# KiCad board oresat-adcs-card.kicad_pcb (continued)
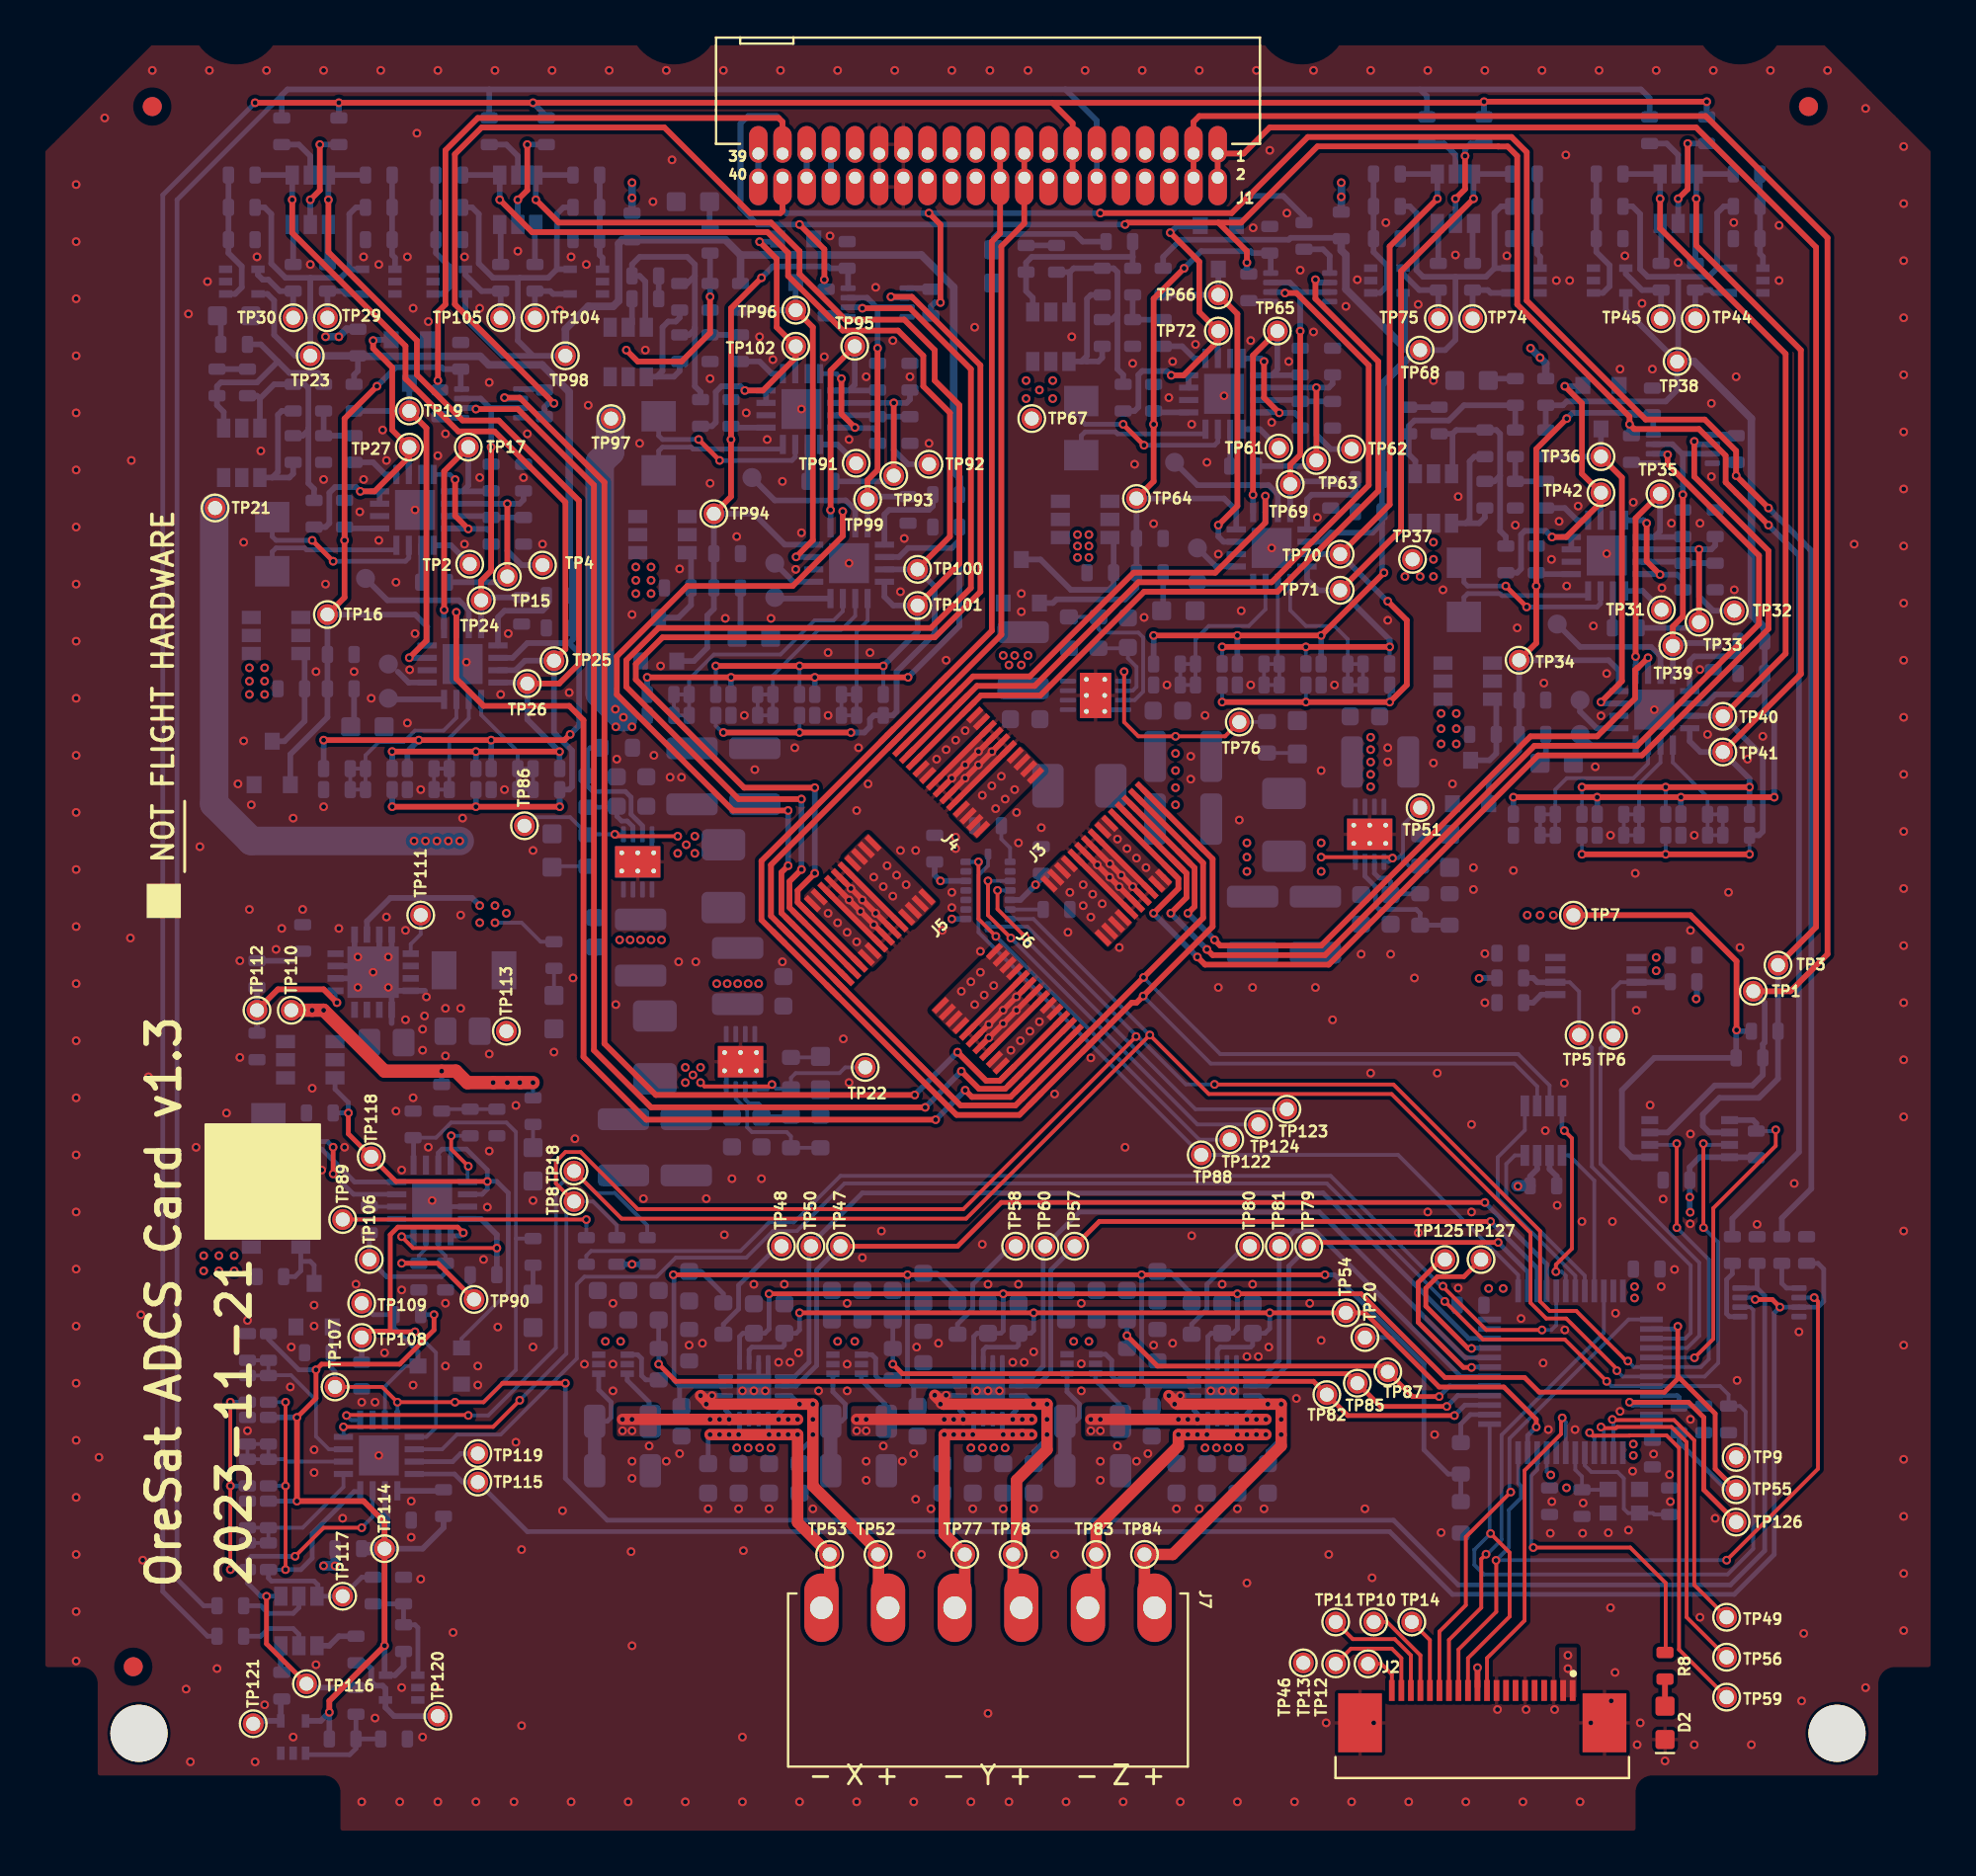
[diagram p0: board, top side]
## Routing (per net, layer and track width the routed paths; a pad name or vN(x,y) marks a point on that pad's centre or on a via; arc(x,y) is an arc through that point) (continued)
VPD_Q3: length 95.1
  Top w0.3: v1(45.7,61) v1(40.8,61) v1(36.4,61) v1(32,61)
  Bottom w0.3: 27.25,82.45 26.8,82 25.3,82 ; 27.25,82.45 27.25,85.35 27.6,85.7 R262.2 ; 27.25,82.45 U28.5 ; 48.4,68.2 C31.2 R244.2 ; 48.4,68.2 48.4,63.7 v1(45.7,61) ; 48.4,68.2 48,67.8 45.7,67.8 45.22,67.33 U25.14 ; 26,77.9 TP98.1 ; 26,77.9 25.2,78.7 25.2,81.9 25.3,82 ; 26,77.9 24.4,77.9 22.45,79.85 U27.5 ; R231.2 v1(40.8,61) ; R266.2 22.8,85.7 23.15,85.35 23.15,82.75 23.9,82 25.3,82 ; R239.2 v1(32,61) ; R235.2 v1(36.4,61)
  Bottom w0.4: 36.9,83.2 36.1,84 R230.2 30.7,84 30.5,83.8 30.5,80.79 30.21,80.5 28.9,80.5 27.7,79.3 TP98.1 ; 36.9,83.2 R256.2 ; 36.9,83.2 46.4,83.2 48.1,81.5 48.1,71.8 48.4,71.5 R244.2
VPD_Q4: length 78.5
  Top w0.3: v1(15,57.7) v1(20,57.7) v1(23.8,57.7) 27.65,57.7 v1(27.95,58)
  Bottom w0.3: v1(15,57.7) R49.2 ; 14.3,82 15.9,82 16.35,82.45 ; 14.3,82 13,82 12.25,82.75 12.25,85.35 11.9,85.7 R76.2 ; 14.3,82 TP23.1 13.5,77.9 12.4,79 12.4,80.8 12.05,81.15 U7.5 ; v1(23.8,57.7) R41.2 ; R40.2 16.8,77.1 16.6,76.9 R66.2 ; 16.35,82.45 U8.5 ; 16.35,82.45 16.35,85.35 16.7,85.7 R72.2 ; 27.9,62.8 28.42,62.28 28.42,58.47 v1(27.95,58) ; 27.9,62.8 25.7,62.8 24.93,62.03 24.16,62.03 ; 27.9,62.8 28.1,63 C6.2 ; v1(20,57.7) 19.4,57.1 R45.2
  Bottom w0.4: C6.2 R54.2 28.1,66.82 27.9,67.02 27.9,76 26.48,77.42 23.68,77.42 23.23,77.87 16.83,77.87 R40.2 TP23.1
~{SD}: length 1.3
  Bottom w0.3: 37.84,87.26 J1.39
Net-(C7-Pad1): length 2.9
  Bottom w0.3: C7.1 R64.2 R65.2
Net-(C12-Pad1): length 2.9
  Bottom w0.3: C12.1 R102.2 R103.2
Net-(C19-Pad1): length 2.8
  Bottom w0.25: C19.1 34.83,29.78 36,28.6 R17.2
Net-(C22-Pad1): length 2.9
  Bottom w0.3: R179.2 R178.2 C22.1
Net-(C32-Pad1): length 2.9
  Bottom w0.3: C32.1 R254.2 R255.2
Net-(C44-Pad1): length 2.9
  Bottom w0.2: R224.2 R225.2 21.3,38.3 C44.1
Net-(C56-Pad1): length 2.7
  Bottom w0.25: R23.2 48.3,28.6 47.22,29.68 C56.1
Net-(C68-Pad1): length 2.8
  Bottom w0.25: C68.1 59.43,29.78 60.6,28.6 R29.2
Net-(C104-Pad1): length 1.6
  Bottom w0.3: C104.1 R137.1
Net-(C106-Pad1): length 1.6
  Bottom w0.3: C106.1 R139.1
Net-(C108-Pad1): length 1.2
  Bottom w0.3: C108.1 R141.1
Net-(C110-Pad1): length 1.6
  Bottom w0.3: C110.1 R143.1
Net-(D1-PadA): length 1.6
  Bottom w0.2: D1.A 74.11,52.73 R26.2
Net-(D2-PadA): length 1.4
  Top w0.3: R8.1 D2.A
Net-(D3-PadA): length 1.6
  Bottom w0.3: D3.A 9.6,79.82 R39.1
Net-(D4-PadA): length 2.1
  Bottom w0.3: D4.A 16.6,58.58 R67.1
Net-(D5-PadA): length 1.5
  Bottom w0.3: 76.18,76.6 76.28,76.7 R77.1
Net-(D6-PadA): length 1.6
  Bottom w0.3: D6.A 79.2,56.78 R105.1
Net-(D7-PadA): length 1.6
  Bottom w0.2: R31.2 66.1,57.03 D7.A
Net-(D8-PadA): length 1.9
  Bottom w0.2: D8.A 27.05,51.08 28.85,51.08
Net-(D9-PadA): length 6.8
  Bottom w0.3: R153.1 54.88,83.9 54.48,84.3 50.4,84.3 50.2,84.1 D9.A
Net-(D10-PadA): length 2
  Bottom w0.3: R181.1 59.1,64.58 D10.A
Net-(D11-PadA): length 1.6
  Bottom w0.2: 39.55,41.03 41.05,41.03 D11.A
Net-(D13-PadA): length 1.3
  Bottom w0.3: D13.A 35.28,84.72 R229.1
Net-(D14-PadA): length 2.7
  Bottom w0.3: R257.1 36.9,63.28 36.72,63.1
Net-(D16-PadA): length 1.2
  Bottom w0.2: D16.A R198.1
Net-(D17-PadA): length 1.4
  Bottom w0.2: R199.1 D17.A
Net-(D18-PadA): length 1.5
  Bottom w0.25: R267.1 D18.A
Net-(J2-DEBUG-0): length 4.8
  Top w0.2: TP10.1 70.86,11.35 72.61,9.6 72.61,7.95
Net-(J2-DEBUG-1): length 6.3
  Top w0.2: TP11.1 69.06,10.45 71.26,10.45 72.11,9.6 72.11,7.95
Net-(J2-DEBUG-2): length 5.5
  Top w0.2: TP12.1 68.96,9.95 71.11,9.95 71.61,9.45 71.61,7.95
Net-(J2-DEBUG-3): length 2.1
  Top w0.2: 71.11,7.95 71.11,8.6 70.56,9.15 TP13.1
Net-(J2-SWO): length 3.8
  Top w0.2: 73.11,7.95 73.11,10.4 TP14.1
Net-(Q6-G): length 12.3
  Bottom w0.3: 14.2,74.1 14.2,74 13.9,73.7 C109.1 ; 14.2,74.1 14.2,76.2 14,76.4 R63.1 12.4,76.4 11.65,75.65 ; 14.2,74.1 14.2,71.2 14.5,70.9 R142.2 ; 11.65,75.65 Q6.3 ; 11.65,75.65 11.5,75.8 R143.2
Net-(Q6-S): length 16.2
  Top w0.25: v1(14.4,68.2) v1(15.5,67.1)
  Bottom w0.25: U6.15 19.48,67.28 19.3,67.1 v1(15.5,67.1) ; v1(14.4,68.2) 12.5,68.2 12.3,68.4 R57.2
  Bottom w0.3: C109.2 13.4,71.7 13.2,71.5 12.3,71.5 ; 12.3,71.5 Q6.4 ; 12.3,71.5 12.6,71.8 12.6,74.8 12.8,75 R63.2
Net-(Q7-G): length 5.8
  Bottom w0.3: Q8.3 12.94,57.64 14,58.7 R55.1 14,62.05 Q7.3
Net-(Q10A-G): length 2.1
  Bottom w0.3: R68.2 15.2,84.75 Q10.1
Net-(Q10A-S): length 2.7
  Bottom w0.3: Q10.5 14.3,88.4 13.7,89 R53.2
Net-(Q10B-G): length 2.1
  Bottom w0.3: R74.2 13.4,84.75 Q10.3
Net-(Q10B-S): length 5.4
  Top w0.3: v1(14.3,86.1) 14.8,86.6 v1(14.8,89)
  Bottom w0.3: Q10.2 v1(14.3,86.1) ; R73.2 v1(14.8,89)
Net-(Q11-G): length 12.4
  Bottom w0.3: 76.8,71.6 76.8,68.7 77.1,68.4 R136.2 ; 76.8,71.6 76.8,73.8 76.6,74 R101.1 74.5,74 74.3,73.8 ; 76.8,71.6 76.5,71.3 C103.1 ; 74.3,73.8 74.3,71.75 Q11.3 ; 74.3,73.8 R137.2
Net-(Q11-S): length 16.1
  Top w0.25: v1(78.19,64.7) 77.1,65.79 v1(77.1,65.8)
  Bottom w0.25: R95.2 74.9,66 75.1,65.8 v1(77.1,65.8) ; U10.15 82.08,64.88 81.9,64.7 v1(78.19,64.7)
  Bottom w0.3: R101.2 75.45,72.6 75.2,72.35 75.2,69.3 75,69.1 ; C103.2 76,69.4 75.7,69.1 75,69.1 ; 75,69.1 Q11.4
Net-(Q12-G): length 4.4
  Bottom w0.3: Q13.3 76.24,56.64 76.6,57 R93.1 76.6,59.65 Q12.3
Net-(Q15A-G): length 2.1
  Bottom w0.3: Q15.1 87.06,84.81 R106.2
Net-(Q15A-S): length 2.7
  Bottom w0.3: Q15.5 86.16,88.46 85.56,89.06 84.66,89.06
Net-(Q15B-G): length 2.1
  Bottom w0.3: Q15.3 85.25,84.81 R112.2
Net-(Q15B-S): length 5.4
  Top w0.3: v1(86.16,86.16) 86.66,86.66 v1(86.66,89.06)
  Bottom w0.3: Q15.2 v1(86.16,86.16) ; v1(86.66,89.06) 87.66,89.06
Net-(Q21-G): length 12.4
  Bottom w0.3: 54.2,82.3 54.2,80.25 Q21.3 ; 54.2,82.3 54.4,82.5 R177.1 56.5,82.5 56.7,82.3 56.7,80.1 ; 54.2,82.3 R139.2 ; C105.1 56.4,79.8 56.7,80.1 ; R138.2 57,76.9 56.7,77.2 56.7,80.1
Net-(Q21-S): length 16.2
  Top w0.25: v1(58.09,73.2) 57,74.29 v1(57,74.3)
  Bottom w0.25: U18.15 61.97,73.38 61.8,73.2 v1(58.09,73.2) ; R171.2 54.8,74.5 55,74.3 v1(57,74.3)
  Bottom w0.3: 54.8,77.6 55.7,77.6 55.9,77.8 C105.2 ; 54.8,77.6 Q21.4 ; 54.8,77.6 55.1,77.9 55.1,80.9 55.3,81.1 R177.2
Net-(Q22-G): length 8.2
  Bottom w0.3: Q22.3 56.5,68.15 R169.1 56.5,65.85 56.25,65.6 54.25,65.6 52.66,67.19 Q23.3
Net-(Q25A-G): length 2.1
  Bottom w0.3: Q25.1 75.36,84.81 R182.2
Net-(Q25A-S): length 2.7
  Bottom w0.3: Q25.5 74.46,88.46 73.86,89.06 72.96,89.06
Net-(Q25B-G): length 2.1
  Bottom w0.3: R188.2 73.56,84.81 73.5,84.86
Net-(Q25B-S): length 5.2
  Top w0.3: v1(74.96,88.4) 74.96,86.66 v1(74.46,86.16)
  Bottom w0.3: Q25.2 v1(74.46,86.16) ; v1(74.96,88.4) 74.96,88.76 75.25,89.06 75.96,89.06
Net-(Q26-S): length 9.8
  Top w0.25: v1(15.5,34.9) v1(15.5,36.3)
  Bottom w0.25: v1(15.5,36.3) 15.2,36.6 12.3,36.6 12.1,36.8 R217.2 ; U30.15 16.58,33.83 v1(15.5,34.9)
Net-(Q27-G): length 4
  Bottom w0.25: 13.8,30.3 14.3,30.3 14.5,30.1 Q28.3 ; 13.8,30.3 Q27.3 ; 13.8,30.3 13.8,29.8 13.5,29.5 R215.1
Net-(Q30A-G): length 2.3
  Bottom w0.3: R268.2 15.8,10.6 15.3,10.1 Q30.1
Net-(Q30A-S): length 3.8
  Bottom w0.25: Q30.5 13.7,12.1 13.4,11.8 12.1,11.8 11.7,12.2 R213.2
Net-(Q30B-G): length 1.4
  Bottom w0.3: R272.2 12.75,8.75 Q30.3
Net-(Q30B-S): length 3.8
  Bottom w0.25: R271.2 11.7,10.6 12.1,11 13.4,11 13.7,10.7 Q30.2
Net-(Q31-G): length 16.7
  Bottom w0.3: 34.5,82.1 34.1,81.7 R253.1 ; 34.5,82.1 34.5,82.7 34.1,83.1 31.6,83.1 31.2,82.7 R141.2 31.6,82.1 31.9,81.8 31.9,79.45 Q31.3 ; 34.5,82.1 34.5,79.4 ; 34.5,79.4 34.5,76.3 34.8,76 R140.2 ; 34.5,79.4 34.5,79.3 34.2,79 C107.1
Net-(Q31-S): length 16.1
  Top w0.25: v1(35.8,72.4) v1(34.7,73.5)
  Bottom w0.25: v1(34.7,73.5) 32.8,73.5 32.6,73.7 R247.2 ; v1(35.8,72.4) 39.6,72.4 39.78,72.58 U26.15
  Bottom w0.3: 32.5,76.8 32.8,77.1 32.8,79.4 33.1,79.7 33.5,79.7 33.7,79.9 R253.2 ; 32.5,76.8 33.4,76.8 33.7,77.1 C107.2 ; 32.5,76.8 Q31.4
Net-(Q32-G): length 4.8
  Bottom w0.3: Q32.3 34.3,67.35 R245.1 34.3,64.8 33.64,64.14 Q33.3
Net-(Q35A-G): length 2.1
  Bottom w0.3: Q35.1 26.1,84.75 R258.2
Net-(Q35A-S): length 2.7
  Bottom w0.3: R243.2 24.6,89 25.2,88.4 Q35.5
Net-(Q35B-G): length 2.1
  Bottom w0.3: R264.2 24.3,84.75 Q35.3
Net-(Q35B-S): length 5.4
  Top w0.3: v1(25.2,86.1) 25.7,86.6 v1(25.7,89)
  Bottom w0.3: Q35.2 v1(25.2,86.1) ; R263.2 v1(25.7,89)
Net-(R130-Pad1): length 2.7
  Bottom w0.25: R130.1 31.93,24.08 31.7,24.3 31.7,25.2 31.5,25.4 U4.1
Net-(R131-Pad1): length 2.7
  Bottom w0.25: R131.1 44.22,24.08 44,24.3 44,25.2 43.8,25.4 U21.1
Net-(R132-Pad1): length 2.7
  Bottom w0.25: R132.1 56.62,24.08 56.4,24.3 56.4,25.1 56.08,25.42 U23.1
Net-(U1-SET): length 1.8
  Bottom w0.3: R2.2 78.54,43.9 78.96,44.33 U1.5
Net-(U3-SENSEA): length 15.3
  Top w0.6: v1(39.9,22) v1(36.3,22) v1(30.7,22)
  Bottom w0.25: v1(38.9,22) 38.9,22.3 39.09,22.49 U3.4 ; U3.9 36.11,22.49 36.3,22.3 v1(36.3,22) ; U4.3 30.95,24.05 32.1,22.9 32.1,22.41
  Bottom w0.4: v1(38.9,22) v1(39.9,22) ; v1(36.3,22) v1(35.3,22)
  Bottom w0.6: 32.09,21.4 32.1,21.39
  vias: v1(30.7,21.4) v1(31.2,22) v1(31.2,21.4) v1(35.8,22) v1(39.4,22)
Net-(U3-TOFF): length 6
  Bottom w0.25: TP48.1 38.85,31.1 36.8,29.05 36.8,27.8 36,27 R17.1
Net-(U4--): length 6.1
  Bottom w0.25: R15.1 29.9,21.9 30.1,22.1 30.1,22.9 29.45,23.55 U4.4
  Bottom w0.7: R133.2 R15.1
Net-(U5-IO0): length 2.9
  Bottom w0.3: 21.33,59.84 18.46,59.84 TP133.1
Net-(U5-IO1): length 1.8
  Bottom w0.3: 18.9,61.29 19.47,60.73 20.44,60.73
Net-(U5-IO6): length 7.1
  Bottom w0.3: TP28.1 18.35,65.05 22.1,65.05 22.62,64.53 22.62,63.56
Net-(U5-~{RESET}): length 4.8
  Bottom w0.3: U5.13 24.16,64.16 24.5,64.5 26.5,64.5 26.7,64.7 R54.1
Net-(U6-CIN1+): length 11.5
  Top w0.3: v1(24.65,70.13) TP15.1
  Bottom w0.3: TP15.1 24.35,66 R59.1 ; U6.10 v1(24.65,70.13) 25.3,70.13 25.5,70.33 R60.2
Net-(U6-CIN1-): length 7.8
  Bottom w0.3: 24.65,69.4 R62.2 ; 24.65,69.4 R61.1 23.73,69.48 U6.11 ; 24.65,69.4 24.65,67.65 25.4,66.9 TP4.1
Net-(U6-CIN2+): length 7
  Top w0.3: v1(22.6,68.8) 21.91,69.49 v1(21.91,71.39)
  Bottom w0.25: v1(21.91,71.39) 21.64,71.66 U6.8
  Bottom w0.3: R61.2 23.8,68.6 23.6,68.8 v1(22.6,68.8) 22.58,68.83 U6.12
Net-(U6-INHIBIT): length 2.5
  Bottom w0.3: R65.1 17.6,72.3 18.24,71.66 18.83,71.66
Net-(U6-IOUT): length 2
  Bottom w0.3: R59.2 20.12,66.03 20.12,67.94
Net-(U6-POUT): length 2.3
  Bottom w0.3: TP2.1 21.68,67.94 U6.13
Net-(U6-RS+): length 7.9
  Bottom w0.25: R57.1 12.3,67.6 12.5,67.8 14,67.8 14.1,67.7 18.78,67.7 18.83,67.74 18.83,67.94
Net-(U7-INP): length 7.2
  Bottom w0.3: R75.1 R76.1 C10.1 10,83.3 10.7,82.6 10.7,81.5 10.35,81.15 U7.1
Net-(U7-OUT): length 3.9
  Bottom w0.3: U7.4 11.55,82.15 11.8,81.9 12.1,81.9 12.7,81.3 R74.1 TP30.1
Net-(U8-INP): length 5
  Bottom w0.3: R71.1 R72.1 C9.1 18.6,83.2 18.75,83.05 U8.1
Net-(U8-OUT): length 3.3
  Bottom w0.3: U8.4 16.15,81.15 16,81.3 R68.1 TP29.1
Net-(U9-IO0): length 3.2
  Bottom w0.3: TP129.1 81.56,57.44 U9.4
Net-(U9-IO1): length 3
  Bottom w0.3: TP128.1 81,59.2 81.88,58.33 U9.5
Net-(U9-IO6): length 7.1
  Bottom w0.3: U9.11 85.22,62.11 84.73,62.6 81,62.6 TP43.1
Net-(U9-~{RESET}): length 4.9
  Bottom w0.3: U9.13 86.76,61.86 87,62.1 89.1,62.1 89.3,62.3 R92.1
Net-(U10-CIN1+): length 11.5
  Top w0.3: TP33.1 v1(87.25,67.73)
  Bottom w0.3: R98.2 88.1,67.93 87.9,67.73 v1(87.25,67.73) U10.10 ; R97.1 86.95,63.6 TP33.1
Net-(U10-CIN1-): length 7.8
  Bottom w0.3: 84.26,67.08 86.33,67.08 R99.1 87.25,67 ; TP32.1 88,64.5 87.25,65.25 87.25,67 ; 87.25,67 R100.2
Net-(U10-CIN2+): length 7
  Top w0.3: v1(85.2,66.4) 84.5,67.1 v1(84.5,69.1)
  Bottom w0.3: U10.8 84.34,69.26 v1(84.5,69.1) ; R99.2 86.4,66.1 86.1,66.4 v1(85.2,66.4) 85.18,66.43 U10.12
Net-(U10-INHIBIT): length 2.5
  Bottom w0.3: U10.5 80.84,69.26 80.2,69.9 R103.1
Net-(U10-IOUT): length 2
  Bottom w0.3: U10.14 82.72,63.63 R97.2
Net-(U10-POUT): length 2.3
  Bottom w0.3: TP31.1 84.28,65.54 U10.13
Net-(U10-RS+): length 7.9
  Bottom w0.25: U10.16 81.43,65.34 81.38,65.3 76.9,65.3 76.8,65.4 75.1,65.4 74.9,65.2 R95.1
Net-(U11-INP): length 7.2
  Bottom w0.3: R113.1 R114.1 C15.1 81.86,83.36 82.56,82.66 82.56,81.56 82.21,81.21 U11.1
Net-(U11-OUT): length 4
  Bottom w0.3: TP45.1 85.25,81.36 84.25,81.36 83.41,82.21 83.41,82.51
Net-(U12-INP): length 5
  Bottom w0.3: 90.46,87.46 90.46,83.26 90.61,83.11 90.61,82.51
Net-(U12-OUT): length 3.4
  Bottom w0.3: TP44.1 87.06,81.36 87.86,81.36 88,81.21 U12.4
Net-(U13-SDO1): length 2.1
  Bottom w0.2: U13.15 51.06,52.04 50.6,52.5 R5.2
Net-(U13-SDO2): length 1.7
  Bottom w0.2: U13.10 R4.2
Net-(U15-PB1): length 8.7
  Top w0.25: TP125.1 73.7,30.4 72.5,29.2 72.5,27.1 74.87,24.73 v1(75.3,24.73)
  Bottom w0.25: U15.19 75.32,24.75 v1(75.3,24.73)
Net-(U15-PB9): length 11.6
  Top w0.25: v1(83.6,22.9) 86.7,22.9 87.5,22.1 87.5,18.3 TP126.1
  Bottom w0.25: U15.46 83.75,22.75 v1(83.6,22.9)
Net-(U15-PB10): length 8.7
  Top w0.25: TP127.1 74.9,29.5 73.51,29.5 72.9,28.89 72.9,27.95 75.12,25.73 v1(75.3,25.73)
  Bottom w0.25: v1(75.3,25.73) 75.32,25.75 U15.21
Net-(U15-PC13): length 16.5
  Top w0.2: v1(82.7,22) 82.73,21.96 85.94,21.96 87,20.9 87,13.3 TP49.1
  Bottom w0.2: U15.2 82.75,21.94 v1(82.7,22)
Net-(U15-PC14-OSC32_IN): length 18.5
  Top w0.2: v1(82.1,21.6) 82.16,21.54 82.89,21.54 82.94,21.6 85.8,21.6 86.6,20.8 86.6,11.6 TP56.1
  Bottom w0.2: v1(82.1,21.6) 82.25,21.45 U15.3
Net-(U15-PC15-OSC32_OUT): length 20.3
  Top w0.2: v1(81.5,21.3) 81.66,21.14 83.6,21.14 83.61,21.16 85.54,21.16 86.2,20.5 86.2,9.9 TP59.1
  Bottom w0.2: v1(81.5,21.3) 81.75,21.05 U15.4
Net-(U15-PF0-OSC_IN): length 7.1
  Bottom w0.2: U15.5 81.25,19.58 81.6,19.23 82.97,19.23 83.3,18.9 83.3,17.3 83.53,17.08 X2.1 84.83,17.08 84.9,17 C36.1
Net-(U15-PF1-OSC_OUT): length 3.5
  Bottom w0.2: U15.6 80.75,19.35 81.1,19 C30.1 82.45,18.3 X2.3
Net-(U16-SENSEA): length 15.5
  Top w0.6: v1(52.2,22) v1(48.6,22) v1(43,22)
  Bottom w0.25: 44.5,22.41 44.5,22.8 43.25,24.05 U21.3 ; v1(48.6,22) 48.6,22.3 48.41,22.49 U16.9 ; U16.4 51.39,22.49 51.2,22.3 v1(51.2,22)
  Bottom w0.4: v1(51.2,22) v1(52.2,22) ; v1(48.6,22) v1(47.6,22)
  Bottom w0.6: 44.4,21.39 44.41,21.4 44.49,21.4
  vias: v1(43,21.4) v1(43.5,22) v1(43.5,21.4) v1(48.1,22) v1(51.7,22)
Net-(U16-TOFF): length 6
  Bottom w0.25: R23.1 48.3,27.01 49.1,27.81 49.1,29.1 51.1,31.1 TP58.1
Net-(U17-IO0): length 2.9
  Bottom w0.3: TP135.1 60.96,65.94 U17.4
Net-(U17-IO1): length 2.4
  Bottom w0.3: U17.5 61.88,66.83 TP134.1
Net-(U17-IO6): length 7.1
  Bottom w0.3: TP73.1 60.9,71.1 64.64,71.1 65.12,70.62 U17.11
Net-(U17-IO7): length 17.3
  Top w0.3: TP69.1 65.78,72.18 66.3,72.7 v1(66.3,79.2)
  Bottom w0.3: U17.12 TP69.1 65.85,71.15 66,71.3 R126.2 ; 66.3,81.2 66.35,81.25 U39.3 ; 66.3,81.2 65.75,81.75 U39.7 ; 66.3,81.2 v1(66.3,79.2)
Net-(U17-~{RESET}): length 4.9
  Bottom w0.3: R168.1 69.2,70.8 69,70.6 66.9,70.6 66.66,70.36 U17.13
Net-(U18-CIN1+): length 11.5
  Top w0.3: TP63.1 v1(67.15,76.23)
  Bottom w0.3: TP63.1 66.85,72.1 R173.1 ; U18.10 v1(67.15,76.23) 67.8,76.23 68,76.43 R174.2
Net-(U18-CIN1-): length 7.8
  Bottom w0.3: 64.16,75.58 66.22,75.58 R175.1 67.15,75.5 ; R176.2 67.15,75.5 ; 67.15,75.5 67.15,73.75 67.9,73 TP62.1
Net-(U18-CIN2+): length 7
  Top w0.3: v1(65.2,74.9) 64.4,75.7 v1(64.4,77.6)
  Bottom w0.3: U18.12 65.18,74.93 v1(65.2,74.9) 66,74.9 66.3,74.6 R175.2 ; U18.8 64.24,77.76 v1(64.4,77.6)
Net-(U18-INHIBIT): length 2.5
  Bottom w0.3: R179.1 60.1,78.4 60.74,77.76 U18.5
Net-(U18-IOUT): length 2
  Bottom w0.3: U18.14 62.62,72.13 R173.2
Net-(U18-POUT): length 2.3
  Bottom w0.3: U18.13 64.18,74.04 TP61.1
Net-(U18-RS+): length 7.9
  Bottom w0.25: R171.1 54.8,73.7 55,73.9 56.6,73.9 56.7,73.8 61.28,73.8 61.33,73.84 U18.16
Net-(U19-INP): length 7.2
  Bottom w0.3: 70,81.21 70.5,81.21 70.86,81.56 70.86,82.66 70.16,83.36 C25.1 R190.1 R189.1
Net-(U19-OUT): length 4
  Bottom w0.3: 71.71,82.51 71.71,82.21 72.56,81.36 73.56,81.36 TP75.1
Net-(U20-INP): length 5
  Bottom w0.3: 78.91,82.51 78.91,83.11 78.75,83.26 C24.1 R186.1 R185.1
Net-(U20-OUT): length 3.4
  Bottom w0.3: U20.4 76.31,81.21 76.16,81.36 75.36,81.36 TP74.1
Net-(U21--): length 6
  Bottom w0.25: U21.4 41.75,23.45 42.4,22.8 42.4,22.1 42.2,21.9 R16.1
  Bottom w0.7: R134.2 R16.1
Net-(U22-SENSEA): length 15.5
  Top w0.6: v1(55.3,22) v1(60.9,22) v1(64.5,22)
  Bottom w0.25: U23.3 55.55,24.05 55.7,23.9 ; v1(60.9,22) 60.9,22.3 60.71,22.49 U22.9 ; v1(63.5,22) 63.5,22.3 63.69,22.49 U22.4 ; 55.7,23.9 56.8,22.8 56.8,22.41
  Bottom w0.4: v1(60.9,22) v1(59.9,22) ; v1(63.5,22) v1(64.5,22)
  Bottom w0.6: 56.7,21.39 56.71,21.4 56.79,21.4
  vias: v1(55.3,21.4) v1(55.8,22) v1(55.8,21.4) v1(60.4,22) v1(64,22)
Net-(U22-TOFF): length 6
  Bottom w0.25: R29.1 60.6,27 61.4,27.8 61.4,29.1 63.4,31.1 TP80.1
Net-(U23--): length 6
  Bottom w0.25: R25.1 54.5,21.9 54.7,22.1 54.7,22.8 54.05,23.45 U23.4
  Bottom w0.7: R135.2 R25.1
Net-(U24-INTVcc): length 3.9
  Bottom w0.25: R14.2 71.1,49.63 C57.1 71.05,50.25 70.85,50.45 70.45,50.45 70.2,50.7 U24.6
Net-(U24-MODE): length 7.2
  Bottom w0.25: U24.7 69.7,50.55 70.25,50 70.25,49 70.45,48.8 72.4,48.8 72.6,48.6 R14.1 R19.1
Net-(U25-IO0): length 2.9
  Bottom w0.3: TP131.1 38.76,65.14 U25.4
Net-(U25-IO1): length 2.4
  Bottom w0.3: 40.74,66.03 39.68,66.03 TP130.1
Net-(U25-IO6): length 7.1
  Bottom w0.3: U25.11 42.93,69.81 42.43,70.3 38.7,70.3 TP103.1
Net-(U25-IO7): length 17.3
  Top w0.3: v1(44.1,78.3) 44.1,71.9 43.58,71.38 TP99.1
  Bottom w0.3: 44.1,80.4 43.55,80.95 U37.7 ; 44.1,80.4 v1(44.1,78.3) ; 44.1,80.4 44.15,80.45 U37.3 ; 43.58,68.86 TP99.1 43.58,70.38 43.7,70.5 R127.2
Net-(U25-~{RESET}): length 4.9
  Bottom w0.3: U25.13 44.46,69.56 44.7,69.8 46.8,69.8 47,70 R244.1
Net-(U26-CIN1+): length 11.5
  Top w0.3: TP93.1 v1(44.95,75.43)
  Bottom w0.3: R249.1 44.65,71.3 TP93.1 ; U26.10 v1(44.95,75.43) 45.62,75.43 45.8,75.6 R250.2
Net-(U26-CIN1-): length 7.8
  Bottom w0.3: TP92.1 45.7,72.2 44.95,72.95 44.95,74.7 ; R252.2 44.95,74.7 ; 44.95,74.7 R251.1 44.03,74.78 U26.11
Net-(U26-CIN2+): length 6.9
  Top w0.3: v1(42.2,76.7) 42.2,74.84 v1(42.91,74.13)
  Bottom w0.25: 41.08,76.96 41.94,76.96 v1(42.2,76.7)
  Bottom w0.3: U26.12 42.91,74.13 v1(42.91,74.13) 42.94,74.1 43.89,74.1 44.1,73.89 R251.2
Net-(U26-INHIBIT): length 2.5
  Bottom w0.3: R255.1 37.9,77.6 38.54,76.96 U26.5
Net-(U26-IOUT): length 2
  Bottom w0.3: R249.2 40.43,71.33 U26.14
Net-(U26-POUT): length 2.3
  Bottom w0.3: TP91.1 41.98,73.24 41.08,73.24
Net-(U26-RS+): length 7.9
  Bottom w0.25: R247.1 32.6,72.9 32.8,73.1 34.3,73.1 34.4,73 39.08,73 39.12,73.04 U26.16
Net-(U27-INP): length 7.2
  Bottom w0.3: U27.1 21.25,81.15 21.6,81.5 21.6,82.6 20.9,83.3 C35.1 R266.1 R265.1
Net-(U27-OUT): length 3.9
  Bottom w0.3: U27.4 22.45,82.15 23.3,81.3 R264.1 TP105.1
Net-(U28-INP): length 5
  Bottom w0.3: U28.1 29.65,83.05 29.5,83.2 C34.1 R262.1 R261.1
Net-(U28-OUT): length 3.3
  Bottom w0.3: U28.4 27.05,81.15 26.9,81.3 R258.1 TP104.1
Net-(U29-IO6): length 3.5
  Bottom w0.25: U29.11 21.78,19.78 22.2,20.2 TP119.1
Net-(U29-IO7): length 95.5
  Top w0.25: v1(90.2,28.3) 91.1,28.3 v1(91.5,27.9)
  Bottom w0.2: v1(90.2,28.3) 90.1,28.4 U41.7
  Bottom w0.25: R124.2 93.5,30.2 93.8,29.9 93.8,28.2 93.5,27.9 U41.3 v1(91.5,27.9) 91.2,27.6 91.2,14.9 89.1,12.8 74.3,12.8 71,16.1 25.7,16.1 TP115.1 22.3,18.7 21.88,19.13 U29.12
Net-(U29-~{RESET}): length 2.4
  Bottom w0.3: R214.1 21.24,18.24 U29.13
Net-(U30-CIN1+): length 8
  Bottom w0.2: U30.10 21.03,30.98 21.4,30.6 R220.2
  Bottom w0.25: R219.1 TP106.1 18.3,29.5 21.2,29.5 21.4,29.7 R220.2
Net-(U30-CIN1-): length 8.5
  Top w0.25: TP90.1 21,30.2 v1(19.1,30.2)
  Bottom w0.2: R222.2 20,30.6 20.38,30.98 U30.11
  Bottom w0.25: R221.1 22.7,28.5 TP90.1 ; R222.2 v1(19.1,30.2)
Net-(U30-CIN2+): length 9.9
  Top w0.2: v1(19.1,31.6) 19.7,31 v1(24.1,31)
  Bottom w0.2: U30.12 19.73,31.6 v1(19.1,31.6)
  Bottom w0.3: R221.2 v1(24.1,31) 24.1,31.7 23.28,32.53 U30.8
Net-(U30-INHIBIT): length 3.8
  Top w0.2: v1(21.7,36.9) 21.7,36.2 v1(22.6,35.3)
  Bottom w0.2: v1(21.7,36.9) R225.1 ; U30.5 22.56,35.26 v1(22.6,35.3)
Net-(U30-IOUT): length 1.5
  Bottom w0.2: R219.2 17.41,33.18 U30.14
Net-(U30-RS+): length 8.6
  Bottom w0.25: U30.16 16.62,34.48 14.9,36.2 12.3,36.2 12.1,36 R217.1
Net-(U31-PG): length 2.2
  Bottom w0.2: TP111.1 20.1,47.5 19.58,46.98 U31.13
Net-(U31-SYNC): length 8
  Top w0.3: TP112.1 12.6,44.6 15,44.6 v1(15.7,43.9)
  Bottom w0.2: v1(15.7,43.9) 15.62,43.98 15.62,44.53
  Bottom w0.3: R228.2 TP112.1 R227.1
Net-(U32-INP): length 5.9
  Bottom w0.25: R274.1 R273.1 ; R274.1 16.7,4.7 16.37,4.38 14.13,4.38 U32.1 ; R274.1 C50.1
Net-(U32-OUT): length 2.7
  Bottom w0.3: TP121.1 11.45,6.15 U32.4 12.75,7.25 R272.1
Net-(U33-INP): length 6
  Bottom w0.25: R269.1 C49.1 R270.1 19.8,11.2 19.95,11.05 U33.1
Net-(U33-OUT): length 6.5
  Bottom w0.3: TP120.1 18.7,6.4 18.25,6.85 U33.4 18.25,7.85 18.1,8 17.7,8 17.5,8.2 17.5,8.9 17.2,9.2 R268.1
Net-(U34-INTVcc): length 4.6
  Bottom w0.2: R27.1 57.2,62.53 57.25,62.58 57.25,62 57.7,61.55 57.7,60.5 57.5,60.3 U34.6
Net-(U34-MODE): length 8.8
  Bottom w0.2: U34.7 57.6,59.8 58.05,60.25 58.05,63.1 57.8,63.35 55.9,63.35 55.7,63.55 R27.2 R28.1
Net-(U35-INTVcc): length 3.6
  Bottom w0.25: U35.6 31.25,53.15 30.95,53.45 30.65,53.45 30.4,53.7 C78.1 30.35,54.18 R32.1
Net-(U35-MODE): length 7.4
  Bottom w0.25: U35.7 31.75,53.2 31.15,53.8 31.15,54.7 30.85,55 29.15,55 28.85,55.3 R32.2 28.85,57.15 29,57.3 R33.1
Net-(U36-INTVcc): length 3.7
  Bottom w0.2: U36.6 37.15,38.81 37.36,38.6 37.85,38.6 38,38.45 C81.1 38.05,37.93 R35.1
Net-(U36-MODE): length 6.9
  Bottom w0.2: R36.1 R35.2 39.55,36.88 39.33,37.1 37.5,37.1 37.25,37.35 37.25,38.25 36.65,38.85 U36.7
Net-(U37-NO1): length 1.3
  Bottom w0.3: R38.2 46.85,81.45 U37.1
Net-(U37-NO2): length 1.2
  Bottom w0.3: U37.5 41.35,79.95
Net-(U38-IN1): length 17.3
  Top w0.3: TP39.1 85.88,63.68 86.4,64.2 v1(86.4,70.6)
  Bottom w0.3: v1(86.4,70.6) 86.4,72.7 ; 86.4,72.7 86.45,72.75 U38.3 ; 86.4,72.7 85.85,73.25 U38.7 ; R125.2 86,62.8 85.88,62.68 TP39.1 U9.12
Net-(U38-NO1): length 1.3
  Bottom w0.3: U38.1 89.15,73.75 R116.2
Net-(U38-NO2): length 1.2
  Bottom w0.3: R117.2 83.75,72.25 U38.5
Net-(U39-NO1): length 2.4
  Bottom w0.3: U39.1 67.85,83.15 67.5,83.5 R118.2
Net-(U39-NO2): length 1.2
  Bottom w0.3: R119.2 63.65,80.75 U39.5
Net-(U40-IN1): length 17.3
  Top w0.3: TP24.1 23.28,66.08 23.8,66.6 23.8,70.8 v1(23.8,73.1)
  Bottom w0.3: U40.7 23.25,75.65 23.8,75.1 ; U5.12 TP24.1 23.35,65.05 23.5,65.2 R128.2 ; 23.8,75.1 23.85,75.15 U40.3 ; 23.8,75.1 v1(23.8,73.1)
Net-(U40-NO1): length 1.3
  Bottom w0.3: U40.1 26.55,76.15 R120.2
Net-(U40-NO2): length 1.2
  Bottom w0.3: R121.2 21.15,74.65 U40.5
Net-(U41-NO1): length 2.1
  Bottom w0.25: R122.2 91.6,29.15 91.85,28.9 U41.1
Net-(U41-NO2): length 3.5
  Bottom w0.25: U41.5 88.85,27.4 88.7,27.55 88.7,29.35 89,29.65 R123.2

## Copper pours and planes (outline as drawn; the poured copper is in the pictures)
3.3V on Bottom: 86.09,45.35 83.39,45.35 83.39,46.95 86.09,46.95
3.3V on Bottom: 84.16,28.04 83.04,28.04 83.04,30.46 84.16,30.46
3.3V on Bottom: 28.8,27.8 31.6,27.8 31.6,25.8 30.2,25.8 30.2,25.2 28.8,25.2
3.3V on Bottom: 53.4,27.8 56.2,27.8 56.2,25.8 54.8,25.8 54.8,25.2 53.4,25.2
3.3V on Bottom: 85.36,20.54 84.43,20.54 84.16,19.97 84.16,19.74 83.04,19.74 83.04,21.96 85.36,21.96
3.3V on Bottom: 77.26,27.37 76.93,27.04 75.54,27.04 75.54,29.16 77.26,29.16
3.3V on Bottom: 25.2,41.6 22.7,41.6 22.7,49.6 25.2,49.6
3.3V on Bottom: 41.2,27.8 44.1,27.8 44.1,25.8 42.4,25.8 42.4,25.2 41.2,25.2
3.3V on Bottom: 80.46,18.73 80.46,18.14 78.84,18.14 78.84,19.46 79.73,19.46
3.3V on In1.Cu: 93.76,8.73 75.04,8.73 75.04,23.33 26.84,23.33 26.84,40.4 22.85,40.4 22.85,49.6 29.7,49.6 29.7,44.64 71.95,44.6 71.95,49.5 93.76,49.5
5V_Q1 on Top: 59.6,50.2 59,49.6 55.4,53.2 56,53.8
5V_Q1 on Bottom: 68.1,50.3 70.05,50.3 70.05,48.85 62.2,48.85 62.2,50.3 62.8,50.3 62.8,52.6 68.1,52.6
5V_Q1 on In1.Cu: 59.3,50.5 60.4,50.5 62.5,52.6 68,52.6 68,49.6 59,49.6 56.2,52.4 56.8,53
5V_Q2 on Top: 50,58.9 46.5,55.4 45.9,56 49.4,59.5
5V_Q2 on Bottom: 60.15,52.05 57.95,52.05 57.95,53.6 55.35,53.6 55.35,57 57.95,57 57.95,59.8 59.1,59.8 59.1,58.45 60.15,58.45
5V_Q2 on In1.Cu: 51.55,58.35 60.15,58.35 60.15,53.9 59.35,53.9 59.35,54.45 56.95,56.85 51.15,56.85 50.15,57.85 48.95,57.85 46.5,55.4 45.9,56 49.4,59.5 50.4,59.5
5V_Q3 on Top: 44.4,46.3 43.8,45.7 40.1,49.4 40.7,50
5V_Q3 on Bottom: 39.05,53.4 37.75,53.4 37.75,51.15 33.35,51.15 33.35,53.5 31.45,53.55 31.45,55.05 39.05,55.05
5V_Q3 on In1.Cu: 38.5,50 40.7,50 43.5,47.2 42.9,46.6 41.05,48.45 37.4,48.45 34.65,51.2 33.3,51.2 33.3,53 35.5,53
5V_Q4 on Top: 53.9,43.6 50.4,40.1 49.8,40.7 53.3,44.2
5V_Q4 on Bottom: 35.05,38.6 37,38.6 37,37.35 35.65,37.35 35.65,36.5 29.15,36.5 29.15,38.6 30.75,38.6 30.75,41.1 35.05,41.1
5V_Q4 on In1.Cu: 53.25,42.95 51.55,41.25 51.55,37.45 49.35,35.25 35.7,35.25 33.35,37.6 33.35,41 35.05,41 35.05,38.45 36.4,37.1 48.25,37.1 49.8,38.65 49.8,40.7 52.65,43.55
GND on Top: 99.86,-0.06 -0.06,-0.06 -0.06,94.66 99.86,94.66
GND on Bottom: 99.86,-0.06 -0.06,-0.06 -0.06,94.66 99.86,94.66
GND on In1.Cu: 99.86,-0.07 -0.06,-0.07 -0.06,94.66 99.86,94.66
GND on In2.Cu: 99.86,-0.07 -0.06,-0.07 -0.06,94.66 99.86,94.66
VBUS on Bottom: 33.2,64.9 30.9,64.9 30.9,67.9 33.2,67.9
VBUS on Bottom: 12.95,59.6 10.6,59.6 10.6,62.63 12.95,62.63
VBUS on Bottom: 12.16,28.8 8,28.8 8,31.4 12.16,31.4
VBUS on Bottom: 55.61,66 54.3,66 54.3,67.6 53.14,67.6 53.14,68.7 55.61,68.7
VBUS on Bottom: 75.56,57.02 73.22,57.02 73.22,60.22 75.56,60.22
VBUS on In1.Cu: 48.5,85.2 49.8,85.2 49.8,82.1 65.1,82.1 76.2,71 76.2,57.03 72.95,57.03 72.95,59.55 10.75,59.55 10.74,28.83 3.94,28.83 3.94,78.96 45.04,78.96 45.04,85.2 46.24,85.2 46.24,89.96 48.46,89.96
VBUSP on Top: 80.83,7.39 79.9,7.39 79.9,10.01 80.83,10.01
VBUSP on Bottom: 60.9,20.7 62.2,20.7 62.2,22.4 62.6,22.4 62.6,20.7 63.5,20.7 63.5,19.1 60.9,19.1
VBUSP on Bottom: 36.3,20.7 37.6,20.7 37.6,22.4 38,22.4 38,20.7 38.9,20.7 38.9,19.1 36.3,19.1
VBUSP on Bottom: 48.6,20.7 49.9,20.7 49.9,22.4 50.3,22.4 50.3,20.7 51.2,20.7 51.2,19.1 48.6,19.1
VBUSP on Bottom: 16,43.9 18.1,43.9 18.1,41 16.2,41 16.2,40.6 12.4,40.6 12.4,47 16,47
VBUSP on In1.Cu: 18.4,41.3 22.75,41.3 22.75,40.15 26.45,40.15 26.45,22.3 61.4,22.3 75.4,8.3 79.4,8.3 79.4,10.3 81.4,10.3 81.4,5.3 64.4,5.3 53.4,16.3 20.45,16.3 20.45,36.3 17.4,36.3 12.4,41.3 12.4,44.3 15.4,44.3
VBUSP_Q1 on Top: 57.51,48.1 56.2,46.79 52.57,50.42 53.88,51.73
VBUSP_Q1 on Bottom: 56.54,49.05 55.25,47.76 53.56,49.45 54.85,50.74
VBUSP_Q1 on Bottom: 73.7,66.1 71.4,66.1 71.4,73.1 73.7,73.1
VBUSP_Q1 on Bottom: 69.65,58.05 70.35,58.05 70.35,53.75 69.55,53.75 69.55,54.95 68.35,54.95 68.35,59.5 69.65,59.5
VBUSP_Q1 on In1.Cu: 71.95,59.25 71.95,57.55 70.55,57.55 70.55,54.95 68.9,54.95 68.9,57.55 66.45,57.55 61.5,52.6 60.05,51.15 58.9,51.15 56.95,53.1 56.2,53.1 54.85,51.75 54.85,50.75 56.55,49.05 55.25,47.75 53.25,49.75 53.25,52.65 55.55,54.95 58.2,54.95 59.25,53.9 59.8,53.9 65.25,59.35
VBUSP_Q1 on In1.Cu: 73.7,66.1 71.4,66.1 71.4,68.4 73.7,68.4
VBUSP_Q2 on Top: 52.91,56.1 49.3,52.49 47.99,53.8 51.6,57.41
VBUSP_Q2 on Bottom: 53.3,60.45 54.55,60.45 54.55,59.65 53.3,59.65 53.3,58.2 52.15,58.2 52.15,59.65 50.4,59.65 50.4,62.4 53.3,62.4
VBUSP_Q2 on Bottom: 53.6,73.8 51.5,73.8 51.5,76.9 53.6,76.9
VBUSP_Q2 on Bottom: 53.6,81.5 53.6,75.4 51.55,75.4 51.55,81.5
VBUSP_Q2 on In1.Cu: 53.6,75.4 51.5,75.4 51.5,76.9 53.6,76.9
VBUSP_Q2 on In1.Cu: 50,62.6 52.4,62.6 52.4,61.3 50,61.3 50,60.2 45.5,55.9 46.4,55 49.3,55 50.65,56.35 51.85,55.15 50.5,53.8 45.8,53.8 44.3,55.3 44.3,56.5 48.4,60.6 48.4,67.6 50,67.6
VBUSP_Q3 on Top: 47.21,49.2 45.9,47.89 42.29,51.5 43.6,52.81
VBUSP_Q3 on Bottom: 31.9,49.1 33.15,49.1 33.15,46.8 30.05,46.8 30.05,47.7 28.65,47.7 28.65,49.1 31.1,49.1 31.1,50.3 31.9,50.3
VBUSP_Q3 on Bottom: 31.4,73.8 29.3,73.8 29.3,80.1 31.4,80.1
VBUSP_Q3 on Bottom, In1.Cu: 31.5,58.15 28.4,58.15 28.4,59.75 31.5,59.75
VBUSP_Q4 on Top: 51.81,45.8 48.2,42.19 46.89,43.5 50.5,47.11
VBUSP_Q4 on Bottom: 11.1,69 8.5,69 8.5,76.5 11.1,76.5
VBUSP_Q4 on Bottom: 38.35,44.35 39.7,44.35 39.7,43 37.3,43 37.3,41.8 36.5,41.8 36.5,43 35.35,43 35.35,45.3 38.35,45.3
VBUSP_Q4 on In1.Cu: 50.84,44.85 49.15,43.16 47.86,44.45 49.55,46.14
MAG_PWR on Bottom: 81.6,45.3 78.9,45.3 78.9,45.8 77.7,45.8 77.7,49.4 81.6,49.4
MT_X_OUT_A on Top, Bottom: 35.7,23 35.2,22.5 34.2,22.5 34.2,23.1 34.6,23.5 35.7,23.5
MT_Y_OUT_A on Top, Bottom: 48,23 47.5,22.5 46.7,22.5 46.7,23.1 47.1,23.5 48,23.5
MT_Z_OUT_A on Top, Bottom: 60.3,23 59.8,22.5 59,22.5 59,23.1 59.4,23.5 60.3,23.5
Net-(L3-Pad1) on Bottom: 21.65,45.05 19.15,45.05 19.15,45.95 21.65,45.95
Net-(Q6-S) on Bottom: 13.7,68.6 11.3,68.6 11.3,72.1 13.7,72.1
Net-(Q11-S) on Bottom: 76.5,66.2 73.9,66.2 73.9,69.7 76.5,69.7
Net-(Q21-S) on Bottom: 56.4,74.7 53.8,74.7 53.8,78.2 56.4,78.2
Net-(Q26-S) on Bottom: 14.5,37 10.7,37 10.7,40.4 14.5,40.4
Net-(Q31-S) on Bottom: 34.2,73.9 31.6,73.9 31.6,77.4 34.2,77.4
Net-(U3-SENSEA) on Top, Bottom: 32.5,21.1 30.4,21.1 30.4,22.7 32.5,22.7
Net-(U3-TOFF) on Bottom: 33.7,25.5 35.5,25.5 35.5,26.9 36.5,26.9 36.5,24.1 33.7,24.1
Net-(U6-RS+) on Bottom: 14.33,62.83 10.6,62.83 10.6,67.4 14.33,67.4
Net-(U10-RS+) on Bottom: 77,60.45 73.2,60.45 73.2,65 77,65
Net-(U16-SENSEA) on Top, Bottom: 44.6,21.1 42.7,21.1 42.7,22.7 44.6,22.7
Net-(U16-TOFF) on Bottom: 46,25.5 47.8,25.5 47.8,26.9 48.8,26.9 48.8,24.1 46,24.1
Net-(U18-RS+) on Bottom: 56.9,68.9 53.1,68.9 53.1,73.5 56.9,73.5
Net-(U22-SENSEA) on Top, Bottom: 57.1,21.1 55,21.1 55,22.7 57.1,22.7
Net-(U22-TOFF) on Bottom: 58.3,25.5 60.1,25.5 60.1,26.9 61.1,26.9 61.1,24.1 58.3,24.1
Net-(U24-SW) on Bottom: 68.1,54.65 69.35,54.65 69.35,53.75 68.1,53.75 68.1,53.55 63.7,53.55 63.7,55.7 68.1,55.7
Net-(U26-RS+) on Bottom: 34.7,68.1 30.9,68.1 30.9,72.7 34.7,72.7
Net-(U30-RS+) on Bottom: 14.4,31.6 10.7,31.6 10.7,35.8 14.4,35.8
Net-(U34-SW) on Bottom: 54.55,54.1 52.25,54.1 52.25,57.9 53.45,57.9 53.45,59.45 54.55,59.45
Net-(U35-SW) on Bottom: 37.8,48 33.95,48 33.95,49.4 32.1,49.4 32.1,50.3 37.8,50.3
Net-(U36-SW) on Bottom: 35.05,42.7 36.3,42.7 36.3,41.8 30.7,41.8 30.7,44 35.05,44

## Text on the board
B.Silkscreen: Q4 | Q3 | - | X | + | Y | Z | Q2 | Q1 | 2023-11-21 | OreSat ADCS Card v1.3
User.Comments: Y- | X- | X+ | Y+ | Q3 | Q4 | Q1 | Q2
F.Silkscreen: - | X | + | Y | Z | OreSat ADCS Card v1.3 | 2023-11-21
